# KiCad board blackpants.kicad_pcb (continued)
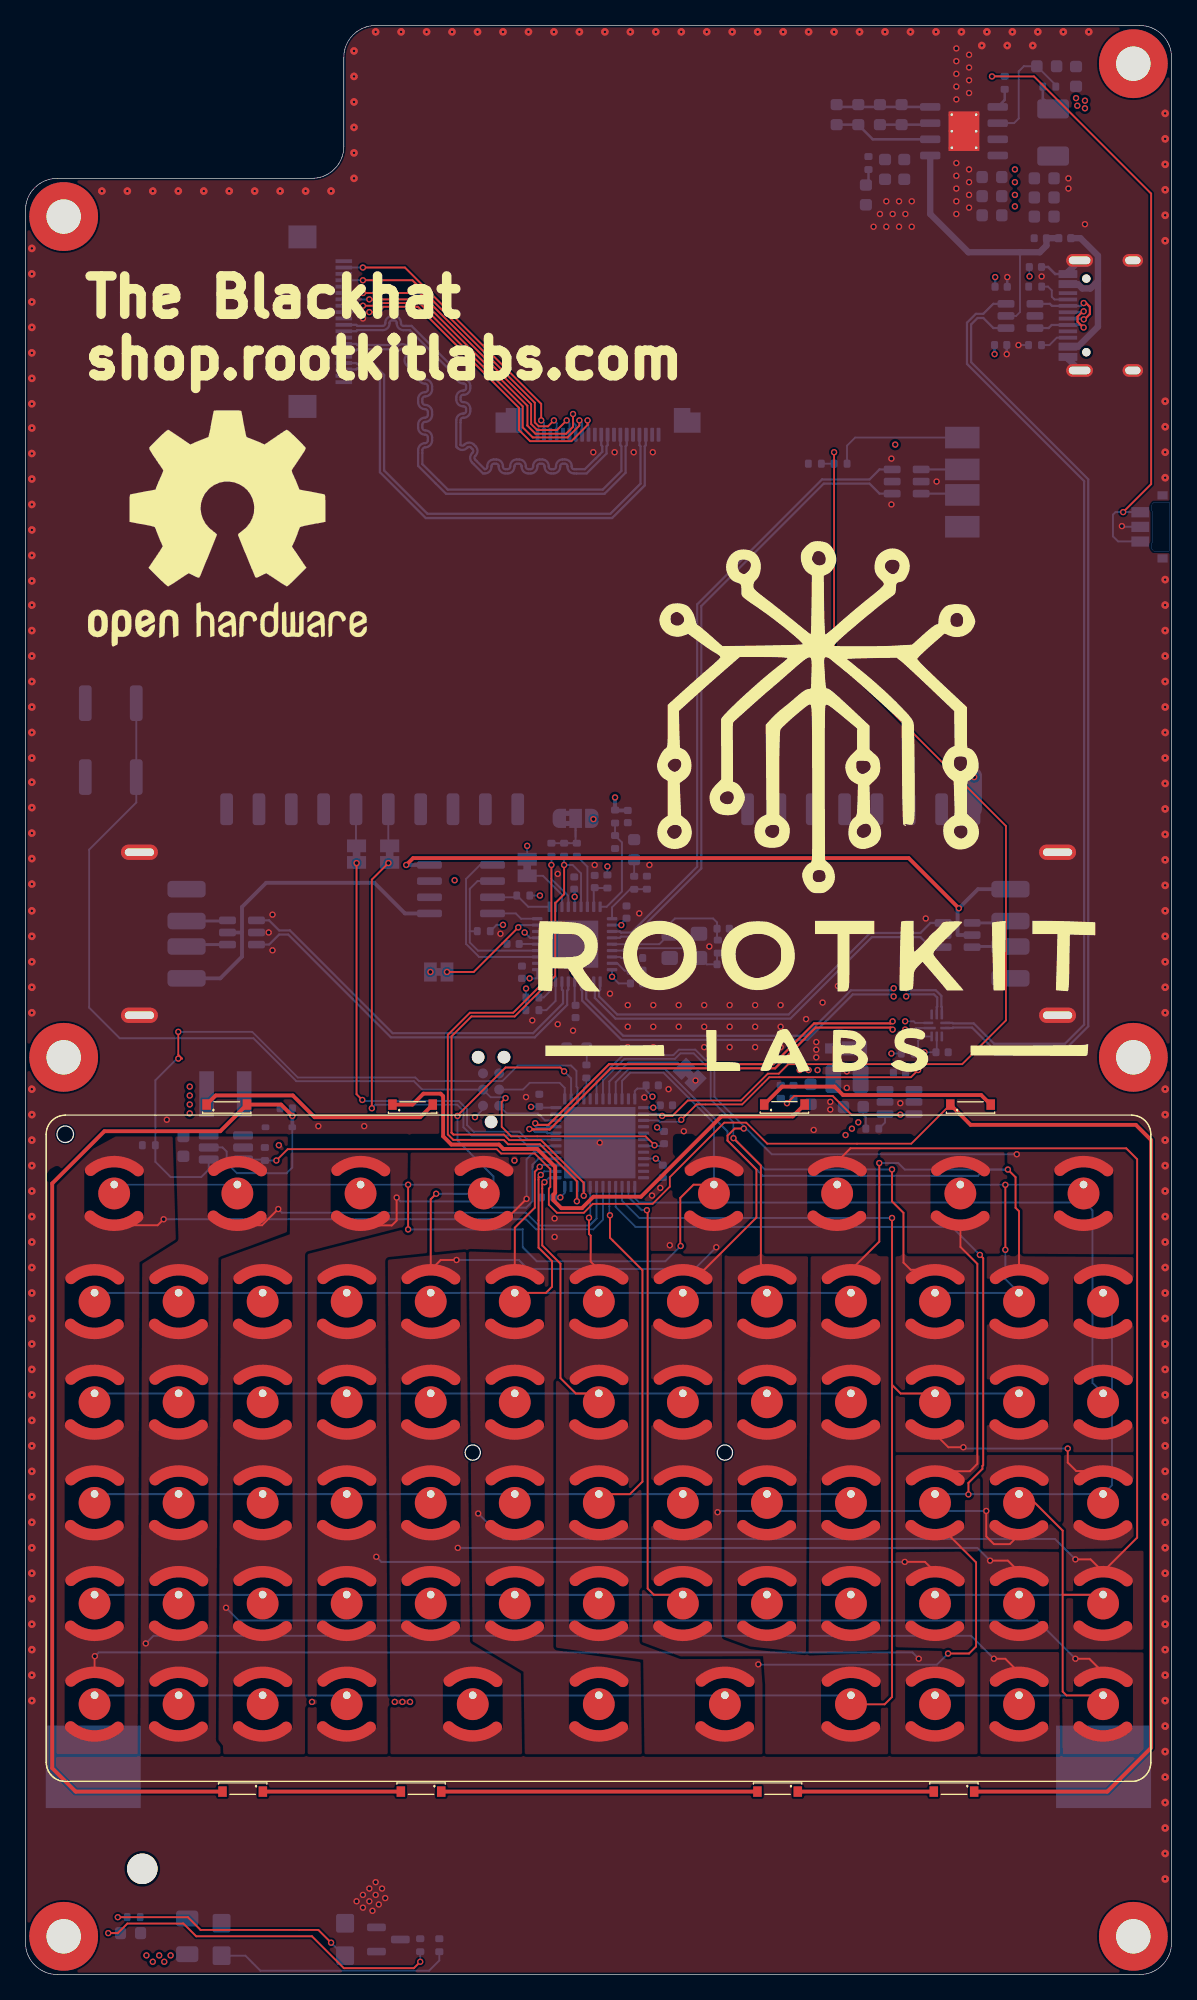
[diagram p0: board, top side]
## Footprints (pads in the part's own frame, mm; a bottom-side part is the same pattern mirrored in y, then rotated) (continued)
  round 2.5 smd: 2(-38.035,20) 4(-28.36,20) 6(-18.685,20) 8(-9.01,20) 10(9.065,20) 12(18.74,20) 14(28.415,20) 16(38.09,20) 18(-39.575,11.51) 20(-32.975,11.51) 22(-26.375,11.51) 24(-19.775,11.51) 26(-13.175,11.51) 28(-6.575,11.51) 30(0.025,11.51) 32(6.625,11.51) 34(13.225,11.51) 36(19.825,11.51) 38(26.425,11.51) 40(33.025,11.51) 42(39.625,11.51) 44(-39.575,3.61) 46(-32.975,3.61) 48(-26.375,3.61) 50(-19.775,3.61) 52(-13.175,3.61) 54(-6.575,3.61) 56(0.025,3.61) 58(6.625,3.61) 60(13.225,3.61) 62(19.825,3.61) 64(26.425,3.61) 66(33.025,3.61) 68(39.625,3.61) 70(-39.575,-4.29) 72(-32.975,-4.29) 74(-26.375,-4.29) 76(-19.775,-4.29) 78(-13.175,-4.29) 80(-6.575,-4.29) 82(0.025,-4.29) 84(6.625,-4.29) 86(13.225,-4.29) 88(19.825,-4.29) 90(26.425,-4.29) 92(33.025,-4.29) 94(39.625,-4.29) 96(-39.575,-12.19) 98(-32.975,-12.19) 100(-26.375,-12.19) 102(-19.775,-12.19) 104(-13.175,-12.19) 106(-6.575,-12.19) 108(0.025,-12.19) 110(6.625,-12.19) 112(13.225,-12.19) 114(19.825,-12.19) 116(26.425,-12.19) 118(33.025,-12.19) 120(39.625,-12.19) 122(-39.575,-20.09) 124(-32.975,-20.09) 126(-26.375,-20.09) 128(-19.775,-20.09) 130(-9.875,-20.09) 132(0.025,-20.09) 134(9.925,-20.09) 136(19.825,-20.09) 138(26.425,-20.09) 140(33.025,-20.09) 142(39.625,-20.09)
L_0402_1005Metric
  rrect 0.59x0.64 smd: 1(-0.485,0) 2(0.485,0)
L_1008_2520Metric
  rrect 1.25x2.2 smd: 1(-1.075,0) 2(1.075,0)
L_Changjiang_FXL0420
  rrect 1.5x2.5 smd: 1(-1.85,0) 2(1.85,0)
L_Vishay_IFSC-1515AH_4x4x1.8mm
  rect 1.15x3.6 smd: 1(-1.475,0) 2(1.475,0)
LED_0603_1608Metric
  rrect 0.875x0.95 smd: 1(-0.787,0) 2(0.787,0)
LTW-010DCG
  rect 0.67x0.83 smd: 1(-1.585,0.085) 2(1.585,0.085)
MountingHole_2.7mm_Pad
  round 5.4 hole 2.7: 1(0,0)
QFN-36-1EP_6x6mm_P0.5mm_EP3.7x3.7mm
  rrect 0.99x0.99 smd: (-1.23,-1.23) (-1.23,0) (-1.23,1.23) (0,-1.23) (0,0) (0,1.23) (1.23,-1.23) (1.23,0) (1.23,1.23)
  rrect 0.825x0.25 smd: 1(-2.938,2) 2(-2.938,1.5) 3(-2.938,1) 4(-2.938,0.5) 5(-2.938,0) 6(-2.938,-0.5) 7(-2.938,-1) 8(-2.938,-1.5) 9(-2.938,-2) 19(2.938,-2) 20(2.938,-1.5) 21(2.938,-1) 22(2.938,-0.5) 23(2.938,0) 24(2.938,0.5) 25(2.938,1) 26(2.938,1.5) 27(2.938,2)
  rrect 0.25x0.825 smd: 10(-2,-2.938) 11(-1.5,-2.938) 12(-1,-2.938) 13(-0.5,-2.938) 14(0,-2.938) 15(0.5,-2.938) 16(1,-2.938) 17(1.5,-2.938) 18(2,-2.938) 28(2,2.938) 29(1.5,2.938) 30(1,2.938) 31(0.5,2.938) 32(0,2.938) 33(-0.5,2.938) 34(-1,2.938) 35(-1.5,2.938) 36(-2,2.938)
  rect 3.7x3.7 smd: 37(0,0)
QFN-48-1EP_7x7mm_P0.5mm_EP5.6x5.6mm
  rrect 1.13x1.13 smd: (-2.1,-2.1) (-2.1,-0.7) (-2.1,0.7) (-2.1,2.1) (-0.7,-2.1) (-0.7,-0.7) (-0.7,0.7) (-0.7,2.1) (0.7,-2.1) (0.7,-0.7) (0.7,0.7) (0.7,2.1) (2.1,-2.1) (2.1,-0.7) (2.1,0.7) (2.1,2.1)
  rrect 0.875x0.25 smd: 1(-3.438,2.75) 2(-3.438,2.25) 3(-3.438,1.75) 4(-3.438,1.25) 5(-3.438,0.75) 6(-3.438,0.25) 7(-3.438,-0.25) 8(-3.438,-0.75) 9(-3.438,-1.25) 10(-3.438,-1.75) 11(-3.438,-2.25) 12(-3.438,-2.75) 25(3.438,-2.75) 26(3.438,-2.25) 27(3.438,-1.75) 28(3.438,-1.25) 29(3.438,-0.75) 30(3.438,-0.25) 31(3.438,0.25) 32(3.438,0.75) 33(3.438,1.25) 34(3.438,1.75) 35(3.438,2.25) 36(3.438,2.75)
  rrect 0.25x0.875 smd: 13(-2.75,-3.438) 14(-2.25,-3.438) 15(-1.75,-3.438) 16(-1.25,-3.438) 17(-0.75,-3.438) 18(-0.25,-3.438) 19(0.25,-3.438) 20(0.75,-3.438) 21(1.25,-3.438) 22(1.75,-3.438) 23(2.25,-3.438) 24(2.75,-3.438) 37(2.75,3.438) 38(2.25,3.438) 39(1.75,3.438) 40(1.25,3.438) 41(0.75,3.438) 42(0.25,3.438) 43(-0.25,3.438) 44(-0.75,3.438) 45(-1.25,3.438) 46(-1.75,3.438) 47(-2.25,3.438) 48(-2.75,3.438)
  rect 5.6x5.6 smd: 49(0,0)
R_0402_1005Metric
  rrect 0.54x0.64 smd: 1(-0.51,0) 2(0.51,0)
SOIC254P1030X390-4N
  rrect 1.41x1.47 smd: 1(-4.85,1.27) 2(-4.85,-1.27) 3(4.85,-1.27) 4(4.85,1.27)
SOIC-8_3.9x4.9mm_P1.27mm
  rrect 1.95x0.6 smd: 1(-2.475,1.905) 2(-2.475,0.635) 3(-2.475,-0.635) 4(-2.475,-1.905) 5(2.475,-1.905) 6(2.475,-0.635) 7(2.475,0.635) 8(2.475,1.905)
SolderJumper-2_P1.3mm_Bridged_Pad1.0x1.5mm
  rect 1x1.5 smd: 1(-0.65,0) 2(0.65,0)
SolderJumper-2_P1.3mm_Bridged_Pad1.0x1.5mm#2
  rect 1x1.5 smd: 1(-0.65,0) 2(0.65,0)
SolderJumper-3_P1.3mm_Bridged2Bar12_RoundedPad1.0x1.5mm
  custom 1.05x1.5 smd: 1(-1.3,0) 3(1.3,0)
  rect 1x1.5 smd: 2(0,0)
SOT-23
  rrect 1.475x0.6 smd: 1(-0.938,0.95) 2(-0.938,-0.95) 3(0.938,0)
SOT-23-6
  rrect 1.325x0.6 smd: 1(-1.137,0.95) 2(-1.137,0) 3(-1.137,-0.95) 4(1.137,-0.95) 5(1.137,0) 6(1.137,0.95)
SOT-23-6_Handsoldering
  rrect 1.56x0.65 smd: 1(-1.35,0.95) 2(-1.35,0) 3(-1.35,-0.95) 4(1.35,-0.95) 5(1.35,0) 6(1.35,0.95)
SW_PTS847MM160SMTR2_LFS
  rect 0.8x1.4 smd: 1(-1.14,0.465) 2(0.01,0.465) 3(1.16,0.465)
  rect 0.65x0.8 smd: S1(-2.465,-1.287) S2(2.485,-1.287)
SW_Push_1P1T_NO_CK_KSC7xxJ
  rrect 2.8x1 smd: 1(-2.9,2) 1(2.9,2) 2(-2.9,-2) 2(2.9,-2)
Tag-Connect_TC2030-IDC-NL_2x03_P1.27mm_Vertical
  round 0.991 hole 0.991 unplated: (-2.54,0) (2.54,-1.016) (2.54,1.016)
  round 0.787 smd: 1(-1.27,-0.635) 2(-1.27,0.635) 3(0,-0.635) 4(0,0.635) 5(1.27,-0.635) 6(1.27,0.635)
UQFN-10_1.4x1.8mm_P0.4mm
  rrect 0.975x0.2 smd: 1(-0.562,0.2)
  rrect 0.775x0.2 smd: 2(-0.662,-0.2) 6(0.662,-0.2) 7(0.662,0.2)
  rrect 0.2x0.775 smd: 3(-0.4,-0.863) 4(0,-0.863) 5(0.4,-0.863) 8(0.4,0.863) 9(0,0.863) 10(-0.4,0.863)
USB_A_Receptacle_GCT_USB1046
  oval 1.2x2.9 smd: (-6.4,3.55) (6.4,3.55)
  rrect 1.3x3 smd: 1(-3.5,7.25) 2(-1,7.25) 3(1,7.25) 4(3.5,7.25)
  oval 1.2x2.9 hole 0.6x2.3: 5(-6.4,3.55) 5(6.4,3.55)
USB_C_Receptacle_HRO_TYPE-C-31-M-12
  round 0.65 hole 0.65 unplated: (-2.89,2.6) (2.89,2.6)
  rect 0.6x1.45 smd: A1(-3.25,4.045) A4(-2.45,4.045) A9(2.45,4.045) A12(3.25,4.045) B1(3.25,4.045) B4(2.45,4.045) B9(-2.45,4.045) B12(-3.25,4.045)
  rect 0.3x1.45 smd: A5(-1.25,4.045) A6(-0.25,4.045) A7(0.25,4.045) A8(1.25,4.045) B5(1.75,4.045) B6(0.75,4.045) B7(-0.75,4.045) B8(-1.75,4.045)
  oval 1x1.6 hole 0.6x1.2: S1(-4.32,-1.05) S1(4.32,-1.05)
  oval 1x2.1 hole 0.6x1.7: S1(-4.32,3.13) S1(4.32,3.13)

## Nets
+3V3: C5.2 C6.1 C7.1 C8.1 C9.1 C10.1 C11.1 C12.1 C13.1 C14.1 C15.1 C16.1 C33.1 C47.1 C49.1 C50.1 J3.1 JP4.2 JP5.3 JP6.2 L2.2 R1.2 R9.1 R20.2 R21.2 R26.1 R27.1 R28.1 U1.1 U1.9 U1.24 U1.36 U1.48 U3.5 U3.10 U3.15 U3.23 U3.29 U3.36 U11.9
+5V: C4.2 C18.1 C19.1 C20.1 C24.1 C25.1 C26.1 C30.2 C32.1 J1.1 L3.1 R6.1 R16.1 U2.8 U4.7 U7.5 U8.5 U15.6
+13v: C44.1 D13.1 D15.2 D19.2 U15.5
GND: C2.2 C3.2 C4.1 C5.1 C7.2 C8.2 C9.2 C10.2 C11.2 C12.2 C13.2 C14.2 C15.2 C16.2 C17.2 C18.2 C19.2 C20.2 C21.2 C22.2 C23.2 C24.2 C25.2 C26.2 C27.2 C28.1 C29.1 C30.1 C31.1 C32.2 C33.2 C44.2 C45.2 C47.2 C49.2 C50.2 D1.2 D6.1 D8.1 J1.8 J2.3 J2.10 J3.5 J4.4 J4.5 J5.4 J5.5 J8.A1 J8.A12 J8.B1 J8.B12 J8.S1 J10.1 J11.10 J11.13 J11.16 J11.19 J11.20 J11.MP J12.1 J12.2 J12.5 J12.8 J12.11 J12.MP JP1.2 JP5.1 PWR_BUTTON1.2 Q1.2 R7.2 R8.2 R11.2 R12.2 R13.2 R18.1 R22.2 R23.2 R25.2 SW1.1 U1.8 U1.23 U1.35 U1.47 U1.49 U2.9 U3.11 U3.37 U4.6 U5.2 U6.2 U7.2 U8.2 U10.3 U11.3 U11.8 U12.2 U15.2 Y1.2 Y1.4
VBUS: C2.1 C3.1 C45.1 FB2.2 R14.1 U2.1 U12.5
+BATT: C21.1 F1.1 L1.2 R17.1
/BOOT0: JP1.1 U1.44
/DSI Bridge and Backlight/BL_PWM: R22.1 U1.39 U15.4
/DSI Bridge and Backlight/CLK+: J11.14 J12.7
/DSI Bridge and Backlight/CLK-: J11.15 J12.6
/DSI Bridge and Backlight/D0+: J11.17 J12.4
/DSI Bridge and Backlight/D0-: J11.18 J12.3
/DSI Bridge and Backlight/D1+: J11.11 J12.10
/DSI Bridge and Backlight/D1-: J11.12 J12.9
/DSI Bridge and Backlight/FB: D18.1 D22.1 R23.1 U15.3
/Keyboard/COL_0: U1.18 U14.1 U14.17 U14.43 U14.69 U14.95 U14.121 U14.137
/Keyboard/COL_1: U1.19 U14.3 U14.19 U14.45 U14.71 U14.97 U14.123 U14.139
/Keyboard/COL_2: U1.28 U14.5 U14.21 U14.47 U14.73 U14.99 U14.125 U14.141
/Keyboard/COL_3: U1.29 U14.7 U14.23 U14.49 U14.75 U14.101 U14.115 U14.127
/Keyboard/COL_4: U1.38 U14.9 U14.25 U14.51 U14.77 U14.103 U14.117 U14.129
/Keyboard/COL_5: U1.27 U14.11 U14.27 U14.53 U14.79 U14.105 U14.119 U14.131
/Keyboard/COL_6: U1.20 U14.13 U14.29 U14.55 U14.81 U14.89 U14.107 U14.133
/Keyboard/COL_7: U1.42 U14.15 U14.31 U14.57 U14.83 U14.91 U14.109 U14.135
/Keyboard/COL_8: U1.43 U14.33 U14.37 U14.59 U14.63 U14.85 U14.93 U14.111
/Keyboard/COL_9: U1.45 U14.35 U14.39 U14.41 U14.61 U14.65 U14.67 U14.87 U14.113
/Keyboard/ROW_0: U1.46 U14.2 U14.4 U14.6 U14.8 U14.10 U14.12 U14.14 U14.16 U14.38 U14.40
/Keyboard/ROW_1: U1.26 U14.18 U14.20 U14.22 U14.24 U14.26 U14.28 U14.30 U14.32 U14.34 U14.36
/Keyboard/ROW_2: U1.25 U14.44 U14.46 U14.48 U14.50 U14.52 U14.54 U14.56 U14.58 U14.60 U14.62
/Keyboard/ROW_3: U1.17 U14.70 U14.72 U14.74 U14.76 U14.78 U14.80 U14.82 U14.84 U14.86 U14.88
/Keyboard/ROW_4: U1.14 U14.96 U14.98 U14.100 U14.102 U14.104 U14.106 U14.108 U14.110 U14.112 U14.114
/Keyboard/ROW_5: U1.15 U14.64 U14.66 U14.122 U14.124 U14.126 U14.128 U14.130 U14.132 U14.134 U14.136
/Keyboard/ROW_6: U1.16 U14.42 U14.90 U14.92 U14.94 U14.116 U14.118 U14.120 U14.138 U14.140 U14.142
/Keyboard/ROW_7: U1.13 U14.68
/nRST: C6.2 J3.3 SW1.2 U1.7
/Power & USB/D+: J8.A6 J8.B6 U12.3
/Power & USB/D-: J8.A7 J8.B7 U12.1
/Power & USB/UF: FB2.1 J8.A4 J8.A9 J8.B4 J8.B9
/Power & USB/USB.D+: U11.7 U12.4
/Power & USB/USB.D-: U11.6 U12.6
/SWCLK: J3.4 U1.37
/SWDIO: J3.2 U1.34
/USART_RX: JP3.2 U1.31
/USART_TX: JP2.2 U1.30
/USB/D+: J9.1 U8.3
/USB/D-: J7.1 U8.1
/USB/HS_IND: R10.2 U3.25
/USB/I2C.SCL: R3.2 U1.21 U3.24
/USB/I2C.SDA: R4.2 U1.22 U3.22
/USB/SUSP_IND: R13.1 R19.2 U3.28
/USB/USB1.D+: U3.2 U6.1
/USB/USB1.D-: U3.1 U6.3
/USB/USB2.D+: U3.7 U5.1
/USB/USB2.D-: U3.6 U5.3
/USB/USB3.D+: U3.4 U11.5
/USB/USB3.D-: U3.3 U11.4
/USB/USBUP.D+: U3.31 U8.4
/USB/USBUP.D-: U3.30 U8.6
/USB/~{RESET}: C31.2 R9.2 U3.26
/USB_CS: R26.2 U1.3 U11.10
/USB_DET: R24.2 R25.1 U1.2
/USBSTM.D+: U1.33 U11.1
/USBSTM.D-: U1.32 U11.2
Net-(BT1-+): BT1.1 D7.1 F1.2 R43.2 U10.2
Net-(BT1--): BT1.2 Q1.3 R38.2 R50.2
Net-(C17-Pad1): C17.1 R14.2
Net-(D1-K): C1.2 D1.1 L2.1 U7.6
Net-(D2-A): D2.2 D3.1 U2.2
Net-(D2-K): D2.1 D3.2 D4.1 D5.2 U2.4
Net-(D4-A): D4.2 D5.1 U2.3
Net-(D6-A): D6.2 R2.2
Net-(D7-A): D7.2 R50.1
Net-(D8-A): D8.2 R19.1
Net-(D13-A): D13.2 L3.2 U15.1
Net-(D15-K): D15.1 D16.2
Net-(D16-K): D16.1 D17.2
Net-(D17-K): D17.1 D18.2
Net-(D19-K): D19.1 D20.2
Net-(D20-K): D20.1 D21.2
Net-(D21-K): D21.1 D22.2
Net-(J2-Pin_5): J2.5 JP2.1
Net-(J2-Pin_6): J2.6 JP3.1
Net-(J4-D+): J4.3 U6.6
Net-(J4-D-): J4.2 U6.4
Net-(J4-VBUS): J4.1 U4.8 U6.5
Net-(J5-D+): J5.3 U5.6
Net-(J5-D-): J5.2 U5.4
Net-(J5-VBUS): J5.1 U4.5 U5.5
Net-(J6-Pin_1): J6.1 R24.1
Net-(J8-CC1): J8.A5 R12.1
Net-(J8-CC2): J8.B5 R11.1
Net-(J11-Pin_2): J11.2 J12.19
Net-(J11-Pin_4): J11.4 J12.17
Net-(J11-Pin_6): J11.6 J12.15
Net-(J11-Pin_7): J11.7 J12.14
Net-(J11-Pin_8): J11.8 J12.13
Net-(J11-Pin_9): J11.9 J12.12
Net-(JP4-A): JP4.1 U3.17
Net-(JP5-C): JP5.2 R3.1 R4.1 R10.1
Net-(JP6-A): JP6.1 U3.21
Net-(PWR_BUTTON1-Pad1): PWR_BUTTON1.1 PWR_BUTTON1.3 R15.2
Net-(Q1-G): Q1.1 R43.1 U10.4
Net-(R38-Pad1): R38.1 U10.1
Net-(U1-PB4): R2.1 U1.40
Net-(U2-BAT): C22.1 R17.2 U2.6
Net-(U2-KEY): R15.1 U2.5
Net-(U2-SW): L1.1 U2.7
Net-(U3-CRFILT): C27.1 U3.14
Net-(U3-OCS_N1): R27.2 U3.13 U4.2
Net-(U3-OCS_N3): R28.2 U3.19 U4.3
Net-(U3-PLLFILT): C23.1 U3.34
Net-(U3-PRTPWR1/BC_EN1): U3.12 U4.1
Net-(U3-PRTPWR3/BC_EN3): U3.18 U4.4
Net-(U3-RBIAS): R8.1 U3.35
Net-(U3-USBDM_DN4/PRT_DIS_M4): R20.1 U3.8
Net-(U3-USBDP_DN4/PRT_DIS_P4): R21.1 U3.9
Net-(U3-VBUS_DET): R6.2 R7.1 U3.27
Net-(U3-XTALIN/CLKIN): C28.2 R5.1 U3.33 Y1.3
Net-(U3-XTALOUT): C29.2 R5.2 U3.32 Y1.1
Net-(U7-BST): C1.1 U7.1
Net-(U7-EN): R16.2 U7.4
Net-(U7-FB): R1.1 R18.2 U7.3

Pads without a net: H1 1; H2 1; H3 1; H4 1; H6 1; H7 1; J1 2 3 4 5 6 7; J2 1 2 4 7 8 9; J3 6; J8 A8 B8; J11 1 3 5; J12 16 18 20; PWR_BUTTON1 S1 S2; U1 4 5 6 10 11 12 41; U3 16 20

## Via types
v1: diameter 0.5, hole 0.3, Top to Bottom, 281 vias
v2: diameter 0.6, hole 0.2, Top to Bottom, 164 vias

## Routing (per net, layer and track width the routed paths; a pad name or vN(x,y) marks a point on that pad's centre or on a via; arc(x,y) is an arc through that point)
+3V3: length 32.2
  Bottom w0.14: v1(39.7,68.11) 39.73,68.14 C7.1 ; C6.1 49.92,66.18 v1(49.6,66.5) ; v1(49.24,68.91) 48.74,69.41 C8.1 ; v1(70.6,72.4) C33.1 71.56,72.46 U11.9 ; C47.1 78.83,133.33 78.8,133.3 ; J3.1 35.93,67.93 v1(35.3,67.3) ; R26.1 v1(68,72.3)
  Bottom w0.15: C15.1 v1(39.59,78.2) 40.19,78.2 U3.10 ; R27.1 37,82.4 v1(37.5,82.4) ; v1(43.1,78.64) 43.13,78.61 U3.5 43.13,76.15 43.2,76.08 C16.1 ; C11.1 49.66,68.05 v1(49.3,68.05) U1.1 ; 48.67,69.55 48.05,69.55 47.85,69.35 U1.48 ; R9.1 v1(45.7,86.99) ; C14.1 46.79,82.51 v1(46.79,82.38) U3.29 ; R20.2 R21.2 39.3,77.39 v1(39.31,77.4) ; 49.85,63.76 49.56,64.05 v1(49.5,64.05) U1.9 ; JP6.2 v1(39.4,88.6) ; C13.1 46.59,77.8 v1(46.06,78.33) U3.36 ; U1.36 40.52,68.05 ; JP5.3 44.54,90.76 v1(44.6,90.7) ; C12.1 43.13,85.16 U3.23 ; U3.15 39.62,81.38 v1(39.2,81.8) ; R28.1 v1(40.4,84.7) ; C10.1 v1(42,61) 42.35,61.35 U1.24
  Bottom w0.2: 76.02,133.28 76.14,133.16 C50.1 ; C49.1 76.1,127.12 76.11,127.12
  vias: v1(31.8,78.7) v1(43.13,84.6) v1(60.8,71) v1(61.5,71) v1(62.2,71) v1(76.11,127.2) v1(76.15,133.25) v1(78.85,133.3)
+5V: length 166.4
  In2.Cu w1.25: v1(33.7,85.9) 33.7,89 37.8,93.1 46.8,93.1 48.1,94.4 69.3,94.4 ; v1(33.7,85.9) 33.7,85.8 ; v1(33.7,85.9) 33.7,84.3 20.3,70.9 12.9,70.9 v1(12.9,69.7) v1(12.9,69) v1(12.9,68.3) v1(12.9,67.6) ; 69.3,94.4 74.1,94.4 v1(74.5,94) ; 69.3,94.4 69.3,93.2 66.5,90.4 66.5,68 v1(65.4,66.9) v1(64.9,66.4) v1(64.4,65.9) ; 69.3,94.4 69.3,120.1 ; 69.3,120.1 v1(68.3,120.1) ; 69.3,120.1 69.3,128.31 77.7,136.71 v1(77.7,141.7)
  Bottom w0.15: C4.2 65.79,67.5 65.99,67.3 R16.1
  Bottom w0.3: C30.2 46.33,91.38 R6.1 v1(46.3,92.4)
  Bottom w1.25: J1.1 74.48,94.11
  vias: v1(77.7,140.7) v1(77.7,139.7) v1(77.7,138.8)
+13v: length 94.6
  Top w0.3: v1(20.96,67.4) 20.07,68.29 D19.2 15.3,66.2 6.2,66.2 2.1,62.1 2.1,16.2 3.94,14.36 D15.2
  Bottom w0.15: U15.5 15.48,64.92 15.8,64.6 15.8,63.7 16.6,62.9 20.5,62.9 20.95,63.35 D13.1
  Bottom w0.3: D13.1 20.96,66.52 C44.1
GND: length 8.9
  Bottom w0.15: R11.2 v1(77.98,127.91) ; 87.46,113.65 86.15,113.65 v1(86.1,113.7)
  Bottom w0.2: v1(77.06,127.2) C49.2 ; J8.A1 80.86,133.49 80.31,134.04 C47.2 ; 77.02,133.28 77.1,133.2 C50.2
  Bottom w0.5: J8.S1 81.86,126.84 J8.A12 ; J8.A1 81.86,133.65 J8.S1
  vias: v1(11.1,67.1) v1(19.1,81.8) v1(19.4,83.2) v1(19.4,80.4) v1(19.9,65.1) v1(22.5,21.4) v1(23,66.6) v1(26,5.75) v1(26.5,130) v1(26.5,128.5) v1(26.5,127) v1(26.5,125.5) v1(26.5,6.25) v1(26.5,5.25) v1(26.6,66.6) v1(27,6.75) v1(27,5.75) v1(27.25,5) v1(27.5,7.25) v1(27.5,6.25) v1(27.75,5.5) v1(28,6.75) v1(28.25,6) v1(29,21.4) v1(29.6,21.4) v1(30.2,21.4) v1(37.3,81.7) v1(38.4,63.9) v1(39.31,68.88) v1(39.8,74.9) v1(41.55,59.35) v1(41.55,57.9) v1(41.8,86.4) v1(41.8,74.6) v1(43,74.1) v1(44.59,119.5) v1(44.7,87.1) v1(45.1,65.3) v1(45.9,77) v1(46.27,119.5) v1(47.3,76.1) v1(47.3,74.4) v1(47.3,72.8) v1(47.77,119.5) v1(48.2,83.3) v1(48.6,68.85) v1(49,87.1) v1(49,82) v1(49.2,61.15) v1(49.27,119.5) v1(49.3,76.1) v1(49.3,74.4) v1(49.3,72.8) v1(49.85,61.75) v1(50.5,69.5) v1(50.6,57.25) v1(51.3,76.1) v1(51.3,74.4) v1(51.7,66.2) v1(52.62,70.18) v1(53.3,76.1) v1(53.3,74.4) v1(53.3,72.8) v1(53.7,80.7) v1(55.3,76.1) v1(55.3,74.4) v1(55.3,72.8) v1(57.3,76.1) v1(57.3,74.4) v1(57.3,72.8) v1(59.3,76.1) v1(59.3,74.4) v1(59.3,72.8) v1(61.3,75) v1(61.9,66.3) v1(62.1,73.2) v1(62.1,72.6) v1(62.1,72) v1(62.6,76.3) v1(63.2,68.5) v1(63.2,67.9) v1(63.8,77.6) v1(64.5,70.9) v1(64.5,69.6) v1(66.6,137.2) v1(67.1,138.2) v1(67.6,139.2) v1(67.6,137.2) v1(68,119) v1(68,115.4) v1(68.1,138.2) v1(68.6,139.2) v1(68.6,137.2) v1(68.7,68.4) v1(69.1,138.2) v1(69.6,139.2) v1(69.6,137.2) v1(70.7,82.9) v1(70.7,80.3) v1(71.55,117.2) v1(73.1,151.2) v1(73.1,150.2) v1(73.1,149.2) v1(73.1,148.2) v1(73.1,147.2) v1(73.1,142.2) v1(73.1,141.2) v1(73.1,140.2) v1(73.1,139.2) v1(73.1,138.2) v1(74.1,150.7) v1(74.1,149.7) v1(74.1,148.7) v1(74.1,147.7) v1(74.1,141.7) v1(74.1,140.7) v1(74.1,139.7) v1(74.1,138.7) v1(77.1,133.25) v1(79.8,133.3) v1(81.9,141) v1(81.9,140.2) v1(83.2,137.4) v2(0.5,135.5) v2(0.5,133.5) v2(0.5,131.3) v2(0.5,129.3) v2(0.5,127.3) v2(0.5,125.3) v2(0.5,123.3) v2(0.5,121.4) v2(0.5,119.4) v2(0.5,117.4) v2(0.5,115.4) v2(0.5,113.4) v2(0.5,111.4) v2(0.5,109.4) v2(0.5,107.5) v2(0.5,105.5) v2(0.5,103.5) v2(0.5,101.5) v2(0.5,99.5) v2(0.5,97.5) v2(0.5,95.5) v2(0.5,93.6) v2(0.5,91.6) v2(0.5,89.6) v2(0.5,87.6) v2(0.5,85.6) v2(0.5,83.5) v2(0.5,81.5) v2(0.5,79.5) v2(0.5,77.5) v2(0.5,75.5) v2(0.5,69.5) v2(0.5,67.5) v2(0.5,65.5) v2(0.5,63.5) v2(0.5,61.5) v2(0.5,59.5) v2(0.5,57.5) v2(0.5,55.5) v2(0.5,53.5) v2(0.5,51.5) v2(0.5,49.5) v2(0.5,47.5) v2(0.5,45.5) v2(0.5,43.5) v2(0.5,41.5) v2(0.5,39.5) v2(0.5,37.5) v2(0.5,35.5) v2(0.5,33.5) v2(0.5,31.5) v2(0.5,29.5) v2(0.5,27.5) v2(0.5,25.5) v2(0.5,23.5) v2(0.5,21.5) v2(6,140) v2(8,140) v2(10,140) v2(12,140) v2(14,140) v2(16,140) v2(18,140) v2(20,140) v2(22,140) v2(24,140) v2(25.8,151) v2(25.8,149) v2(25.8,147) v2(25.8,145) v2(25.8,143) v2(25.8,141) v2(27.5,152.5) v2(29.5,152.5) v2(31.5,152.5) v2(33.5,152.5) v2(35.5,152.5) v2(37.5,152.5) v2(39.5,152.5) v2(41.5,152.5) v2(43.5,152.5) v2(45.5,152.5) v2(47.5,152.5) v2(49.5,152.5) v2(51.5,152.5) v2(53.5,152.5) v2(55.5,152.5) v2(57.5,152.5) v2(59.5,152.5) v2(61.5,152.5) v2(63.5,152.5) v2(65.5,152.5) v2(67.5,152.5) v2(69.5,152.5) v2(71.5,152.5) v2(73.5,152.5) v2(75.1,151.43) v2(75.5,152.5) v2(77.1,151.43) v2(77.5,152.5) v2(79.1,151.43) v2(79.5,152.5) v2(81.5,152.5) v2(83.5,152.5) v2(89.5,146.1) v2(89.5,144.1) v2(89.5,142.1) v2(89.5,140.1) v2(89.5,138.1) v2(89.5,136.1) v2(89.5,123.5) v2(89.5,121.5) v2(89.5,119.5) v2(89.5,117.5) v2(89.5,109.5) v2(89.5,107.5) v2(89.5,105.5) v2(89.5,103.5) v2(89.5,101.5) v2(89.5,99.5) v2(89.5,97.5) v2(89.5,95.5) v2(89.5,93.5) v2(89.5,91.5) v2(89.5,89.5) v2(89.5,87.5) v2(89.5,85.5) v2(89.5,83.5) v2(89.5,81.5) v2(89.5,79.5) v2(89.5,77.5) v2(89.5,75.5) v2(89.5,69.5) v2(89.5,67.5) v2(89.5,65.5) v2(89.5,63.5) v2(89.5,61.5) v2(89.5,59.5) v2(89.5,57.5) v2(89.5,55.5) v2(89.5,53.5) v2(89.5,51.5) v2(89.5,49.5) v2(89.5,47.5) v2(89.5,45.5) v2(89.5,43.5) v2(89.5,41.5) v2(89.5,39.5) v2(89.5,37.5) v2(89.5,35.5) v2(89.5,33.5) v2(89.5,31.5) v2(89.5,29.5) v2(89.5,27.5) v2(89.5,25.5) v2(89.5,23.5) v2(89.5,21.5) v2(89.5,19.5) v2(89.5,17.5) v2(89.5,15.5) v2(89.5,13.5) v2(89.5,11.5) v2(89.5,9.5) v2(89.5,7.5)
VBUS: length 22.7
  Bottom w0.14: U12.5 77.8,130.2 78.1,130.5 78.1,135.2
  Bottom w0.5: FB2.2 C45.1 80.17,135.72 79.65,135.2 74.05,135.2 71.05,138.2 U2.1 71,142.75
+BATT: length 227.6
  In2.Cu w1.25: 9.75,1.25 29.73,1.25 30.68,2.2 77.95,2.2 88.3,12.55 88.3,64.45 78.77,73.98 78.77,119.18 85,125.41 85,144.8 v1(82.5,147.3)
  Bottom w0.2: L1.2 79.89,147.26 R17.1
  vias: v1(9.5,1.5) v1(10,1) v1(10.5,1.5) v1(10.9,1) v1(11.4,1.5) v1(82.6,146.7) v1(83.2,147.1) v1(83.2,146.5)
/BOOT0: length 8
  Bottom w0.15: JP1.1 51.21,71.59 47.34,71.59 45.85,70.1 U1.44
/DSI Bridge and Backlight/BL_PWM: length 52.9
  Top w0.14: v1(12,74) 12,72.2 12.3,71.9 v1(12,71.9)
  Bottom w0.14: U1.39 43.35,69.62 43.27,69.7 43.27,70.93 42.84,71.36 38.68,71.36 37.45,70.14 30.9,70.14 30.62,70.42 21.39,70.42 17.8,74 v1(12,74)
  Bottom w0.15: v1(12,71.9) 11.9,71.9 10.2,70.2 10.2,63.8 11.4,62.6 13.8,62.6 14.4,63.2 14.39,63.21 U15.4
/DSI Bridge and Backlight/CLK+: length 37.6
  Bottom w0.18: J12.7 25.98,128 26.06,127.92 28.82,127.92 28.92,127.82 arc(29.07,127.76) 29.22,127.82 arc(29.61,127.98) 30,127.82 30.16,127.65 arc(30.33,127.27) 30.16,126.88 arc(30.1,126.72) 30.16,126.57 31.17,125.57 31.17,125.43 arc(31.23,125.28) 31.38,125.21 arc(31.77,125.05) 31.93,124.67 31.93,124.43 arc(31.77,124.04) 31.38,123.88 arc(31.23,123.82) 31.17,123.67 31.17,123.43 arc(31.23,123.28) 31.38,123.21 arc(31.77,123.05) 31.93,122.67 31.93,122.43 arc(31.77,122.04) 31.38,121.88 arc(31.23,121.82) 31.17,121.67 31.17,121.43 arc(31.23,121.28) 31.38,121.21 arc(31.77,121.05) 31.93,120.67 31.93,120.43 arc(31.77,120.04) 31.38,119.88 arc(31.23,119.82) 31.17,119.67 31.17,118.57 33.17,116.57 45.33,116.57 46.8,118.03 46.8,119.97 46.72,120.05 J11.14
/DSI Bridge and Backlight/CLK-: length 38.2
  Bottom w0.18: J12.6 25.98,127.5 26.06,127.58 28.68,127.58 arc(29.07,127.42) 29.46,127.58 arc(29.61,127.65) 29.76,127.58 29.93,127.42 arc(29.99,127.27) 29.93,127.11 arc(29.77,126.72) 29.93,126.34 30.83,125.43 arc(30.99,125.04) 31.38,124.88 arc(31.54,124.82) 31.6,124.67 31.6,124.43 arc(31.54,124.28) 31.38,124.21 arc(30.99,124.05) 30.83,123.67 30.83,123.43 arc(30.99,123.04) 31.38,122.88 arc(31.54,122.82) 31.6,122.67 31.6,122.43 arc(31.54,122.28) 31.38,122.21 arc(30.99,122.05) 30.83,121.67 30.83,121.43 arc(30.99,121.04) 31.38,120.88 arc(31.54,120.82) 31.6,120.67 31.6,120.43 arc(31.54,120.28) 31.38,120.21 arc(30.99,120.05) 30.83,119.67 30.83,118.43 33.03,116.23 45.47,116.23 47.13,117.9 47.13,119.97 47.22,120.05 J11.15
/DSI Bridge and Backlight/D0+: length 37.5
  Bottom w0.18: J12.4 25.98,126.5 26.06,126.42 27.32,126.42 28.17,125.57 28.17,118.07 31.57,114.67 45.93,114.67 48.3,117.03 48.3,119.97 48.22,120.05 J11.17
/DSI Bridge and Backlight/D0-: length 38
  Bottom w0.18: J11.18 48.72,120.05 48.63,119.97 48.63,116.9 46.07,114.33 31.43,114.33 27.83,117.93 27.83,125.43 27.18,126.08 26.06,126.08 25.98,126 J12.3
/DSI Bridge and Backlight/D1+: length 37.5
  Bottom w0.18: J12.10 25.98,129.5 26.06,129.42 28.06,129.42 arc(28.2,129.47) 28.26,129.61 28.26,129.66 arc(28.41,130.03) 28.78,130.18 28.96,130.18 arc(29.33,130.03) 29.49,129.66 29.49,129.61 arc(29.55,129.47) 29.68,129.42 30.32,129.42 34.17,125.57 34.17,125.43 arc(34.22,125.29) 34.36,125.24 34.41,125.24 arc(34.78,125.08) 34.93,124.71 34.93,124.53 arc(34.78,124.16) 34.41,124.01 34.36,124.01 arc(34.22,123.95) 34.17,123.81 34.17,123.63 arc(34.22,123.49) 34.36,123.44 34.41,123.44 arc(34.78,123.28) 34.93,122.91 34.93,122.73 arc(34.78,122.36) 34.41,122.21 34.36,122.21 arc(34.22,122.15) 34.17,122.01 34.17,120.07 arc(34.3,120.01) 34.44,120.07 34.47,120.1 arc(34.84,120.26) 35.22,120.1 35.34,119.97 arc(35.5,119.6) 35.34,119.23 35.31,119.2 arc(35.25,119.06) 35.31,118.92 36.07,118.17 arc(36.21,118.22) 36.26,118.36 36.26,118.41 arc(36.42,118.78) 36.79,118.93 36.97,118.93 arc(37.34,118.78) 37.49,118.41 37.49,118.36 arc(37.55,118.22) 37.69,118.17 37.87,118.17 arc(38.01,118.22) 38.06,118.36 38.06,118.41 arc(38.22,118.78) 38.59,118.93 38.77,118.93 arc(39.14,118.78) 39.29,118.41 39.29,118.36 arc(39.35,118.22) 39.49,118.17 39.67,118.17 arc(39.81,118.22) 39.86,118.36 39.86,118.41 arc(40.02,118.78) 40.39,118.93 40.57,118.93 arc(40.94,118.78) 41.09,118.41 41.09,118.36 arc(41.15,118.22) 41.29,118.17 41.47,118.17 arc(41.61,118.22) 41.66,118.36 41.66,118.41 arc(41.82,118.78) 42.19,118.93 42.37,118.93 arc(42.74,118.78) 42.89,118.41 42.89,118.36 arc(42.95,118.22) 43.09,118.17 43.93,118.17 44.78,119.02 44.79,119.02 45.07,119.3 45.07,119.31 45.3,119.53 45.3,119.97 45.22,120.05 J11.11
/DSI Bridge and Backlight/D1-: length 38
  Bottom w0.18: J12.9 25.98,129 26.06,129.08 28.06,129.08 arc(28.43,129.24) 28.59,129.61 28.59,129.66 arc(28.65,129.79) 28.78,129.85 28.96,129.85 arc(29.1,129.79) 29.16,129.66 29.16,129.61 arc(29.31,129.24) 29.68,129.08 30.18,129.08 33.83,125.43 arc(33.99,125.06) 34.36,124.91 34.41,124.91 arc(34.54,124.85) 34.6,124.71 34.6,124.53 arc(34.54,124.39) 34.41,124.34 34.36,124.34 arc(33.99,124.18) 33.83,123.81 33.83,123.63 arc(33.99,123.26) 34.36,123.11 34.41,123.11 arc(34.54,123.05) 34.6,122.91 34.6,122.73 arc(34.54,122.59) 34.41,122.54 34.36,122.54 arc(33.99,122.38) 33.83,122.01 33.83,119.93 33.93,119.83 arc(34.3,119.68) 34.68,119.83 34.71,119.87 arc(34.84,119.92) 34.98,119.87 35.11,119.74 arc(35.17,119.6) 35.11,119.46 35.08,119.43 arc(34.92,119.06) 35.08,118.69 35.93,117.83 36.07,117.83 arc(36.44,117.99) 36.59,118.36 36.59,118.41 arc(36.65,118.54) 36.79,118.6 36.97,118.6 arc(37.11,118.54) 37.16,118.41 37.16,118.36 arc(37.32,117.99) 37.69,117.83 37.87,117.83 arc(38.24,117.99) 38.39,118.36 38.39,118.41 arc(38.45,118.54) 38.59,118.6 38.77,118.6 arc(38.91,118.54) 38.96,118.41 38.96,118.36 arc(39.12,117.99) 39.49,117.83 39.67,117.83 arc(40.04,117.99) 40.19,118.36 40.19,118.41 arc(40.25,118.54) 40.39,118.6 40.57,118.6 arc(40.71,118.54) 40.76,118.41 40.76,118.36 arc(40.92,117.99) 41.29,117.83 41.47,117.83 arc(41.84,117.99) 41.99,118.36 41.99,118.41 arc(42.05,118.54) 42.19,118.6 42.37,118.6 arc(42.51,118.54) 42.56,118.41 42.56,118.36 arc(42.72,117.99) 43.09,117.83 44.07,117.83 45.63,119.4 45.63,119.97 45.72,120.05 J11.12
/DSI Bridge and Backlight/FB: length 145.1
  Top w0.14: D22.1 69.56,65.22 58.25,65.22 56.6,66.87 54.87,66.87 50.6,62.6 50.6,61.85 49.25,60.5 44.55,60.5 43.85,59.8 41.73,59.8 41.1,60.43 41.1,61.7 41.22,61.82 41.22,63.23 40,64.45 37.35,64.45 37.01,64.79 20.59,64.79 v1(19.7,63.9)
  Top w0.3: D22.1 74.22,66.7 87.2,66.7 88.4,65.5 88.4,17.8 84.96,14.36 D18.1
  Bottom w0.14: v1(19.7,63.9) R23.1
  Bottom w0.15: U15.3 18.73,63.97 R23.1
/Keyboard/COL_0: length 108.1
  Top w0.15: v1(5.45,24.99) 5.42,24.96 5.42,23.71 ; v1(10.85,59.29) 10.38,58.82 6.97,58.82
  Bottom w0.15: U1.18 45.35,59.25 44.6,58.5 40.09,58.5 39.3,59.29 v1(10.85,59.29) ; v1(70.15,24.79) 69.65,25.29 5.75,25.29 v1(5.45,24.99)
/Keyboard/COL_1: length 102
  Top w0.15: 16.64,58.82 18.58,58.82 v1(19.85,60.09) ; 78.02,23.71 76.94,24.79 v1(76.05,24.79)
  Bottom w0.15: v1(76.05,24.79) 74.25,26.59 10.05,26.59 v1(9.45,25.99) ; U1.19 44.85,59.35 44.29,58.79 40.31,58.79 39.3,59.8 20.14,59.8 v1(19.85,60.09)
/Keyboard/COL_2: length 91.9
  Top w0.15: 84.62,23.71 83.54,24.79 v1(82.45,24.79) ; v1(29.15,60.99) 29.15,59.19 28.76,58.8 26.31,58.8
  Bottom w0.15: v1(15.75,28.79) 16.75,27.79 79.45,27.79 v1(82.45,24.79) ; U1.28 40.29,64.05 39.82,63.58 39.82,60.7 39.32,60.2 36.64,60.2 36.15,60.69 29.45,60.69 v1(29.15,60.99)
/Keyboard/COL_3: length 54.2
  Top w0.15: v1(69.05,32.39) 70.64,32.39 71.42,31.61 ; 36,58.82 37.28,58.82 v1(39.35,60.89)
  Bottom w0.15: v1(39.35,60.89) 39.35,64 39.9,64.55 U1.29 ; v1(69.05,32.39) 27.95,32.39 v1(27.55,32.79)
/Keyboard/COL_4: length 98.7
  Top w0.15: v1(75.75,32.49) 77.14,32.49 78.02,31.61 ; v1(33.92,67.4) 33.92,67.42 37.7,71.2 42,71.2 v1(42.3,70.9) ; v1(33.85,56.09) 32.6,56.09 31.82,55.31 31.82,60.86 v1(32.25,61.29)
  Bottom w0.15: v1(42.3,70.9) 42.85,70.35 U1.38 ; v1(33.92,67.4) 33.92,65.48 36.75,62.65 36.75,61.74 36.3,61.29 v1(32.25,61.29) ; v1(33.95,33.49) 74.75,33.49 v1(75.75,32.49) ; v1(54.25,57.09) 52.55,55.39 39.45,55.39 38.75,56.09 v1(33.85,56.09)
/Keyboard/COL_5: length 119.4
  Top w0.15: v1(40.39,63.41) 40,63.02 40,60.2 38.42,58.62 U14.27 ; U14.11 64.78,64.86 86.44,64.86 87.3,64 87.3,34.3 U14.119 ; 84.62,31.61 83.64,32.59 v1(82.45,32.59) ; 38.78,55.32 38.43,55.32
  Bottom w0.15: U1.27 40.53,63.55 v1(40.39,63.41) ; v1(35.55,36.19) 37.55,34.19 80.85,34.19 v1(82.45,32.59)
/Keyboard/COL_6: length 58.3
  Top w0.15: 71.42,39.51 74.17,39.51 74.75,40.09 74.75,55.79 73.42,57.12 73.42,58.82 ; v1(44.25,59.41) 44.25,58.13 44.39,58 44.39,55.96 U14.29 ; U14.89 72.47,34.53 74.65,32.35 74.65,25.75 74.1,25.2 v1(72.45,25.2)
  Bottom w0.15: v1(44.25,59.41) 44.35,59.51 U1.20 ; 57.55,24.25 v1(57.55,24.35) 57.58,24.32 71.57,24.32 v1(72.45,25.2)
/Keyboard/COL_7: length 82.7
  Top w0.15: U14.31 53.3,55.32 57.4,59.42 57.4,63.2 55.13,65.46 55.13,65.85 55.7,66.41 v1(56.41,66.41) ; 78.02,34.51 77.3,33.79 76.05,33.79 75.45,34.39 v1(75.45,36.39)
  Bottom w0.15: U1.42 44.85,70.11 46.91,72.17 50.88,72.17 51.31,72.6 52.6,72.6 54.1,71.1 54.1,68.9 58.61,64.39 v1(77.85,64.39) ; v1(75.45,36.39) 54.45,36.39 v1(54.35,36.29)
/Keyboard/COL_8: length 68.3
  Top w0.15: 71.43,55.32 69.52,55.32 68.95,55.89 68.95,59.79 68.05,60.69 v1(68.05,63.2) ; 58.22,55.31 57.75,55.78 57.75,63.5 v1(55.6,65.66) ; 71.43,42.43 72.47,41.39 v1(73.65,41.39) ; v1(81.85,41.29) 81.85,40.19 82.52,39.52 84.63,39.52
  Bottom w0.15: 55.98,65.28 58.06,63.2 v1(68.05,63.2) ; 55.98,65.28 55.59,65.67 55.59,66.91 53.81,68.69 53.81,70.98 52.48,72.31 51.43,72.31 51,71.88 47.03,71.88 45.35,70.2 U1.43 ; 55.98,65.28 v1(55.6,65.66) ; v1(73.65,41.39) 73.75,41.29 v1(81.85,41.29)
/Keyboard/COL_9: length 64.5
  Top w0.15: 64.82,55.31 67.05,57.54 v1(67.05,63.7) ; 78.02,55.31 78.02,59.92 77.75,60.19 77.75,62.59 v1(77.15,63.19)
  Bottom w0.15: U1.45 46.35,70.06 47.38,71.09 50.22,71.09 55.13,66.18 55.13,65.46 55.75,64.85 55.75,64.85 57.9,62.7 74.8,62.7 75.29,63.19 v1(77.15,63.19) 69.05,63.19 68.54,63.7 v1(67.05,63.7)
/Keyboard/ROW_0: length 123.4
  Top w0.15: v1(30.05,58.49) v1(30.05,62) ; v1(76.95,56.89) v1(76.95,61.99) ; v1(51.45,57.19) 51.42,57.22 51.42,60.96 52.46,62 54.06,62
  Bottom w0.15: v1(76.95,56.89) 76.95,54.58 78.02,53.51 ; U14.10 54.06,66.83 50.1,70.8 47.5,70.8 46.85,70.15 U1.46 ; v1(30.05,58.49) 39.05,58.49 39.05,57.09 40.15,55.99 50.25,55.99 v1(51.45,57.19) ; 6.96,62 v1(30.05,62) 35.99,62 ; 83.09,62 54.06,62 ; 71.42,53.51 78.33,53.51
